# Altium PCB PCB.PcbDoc (part 1 of 2) (continued)
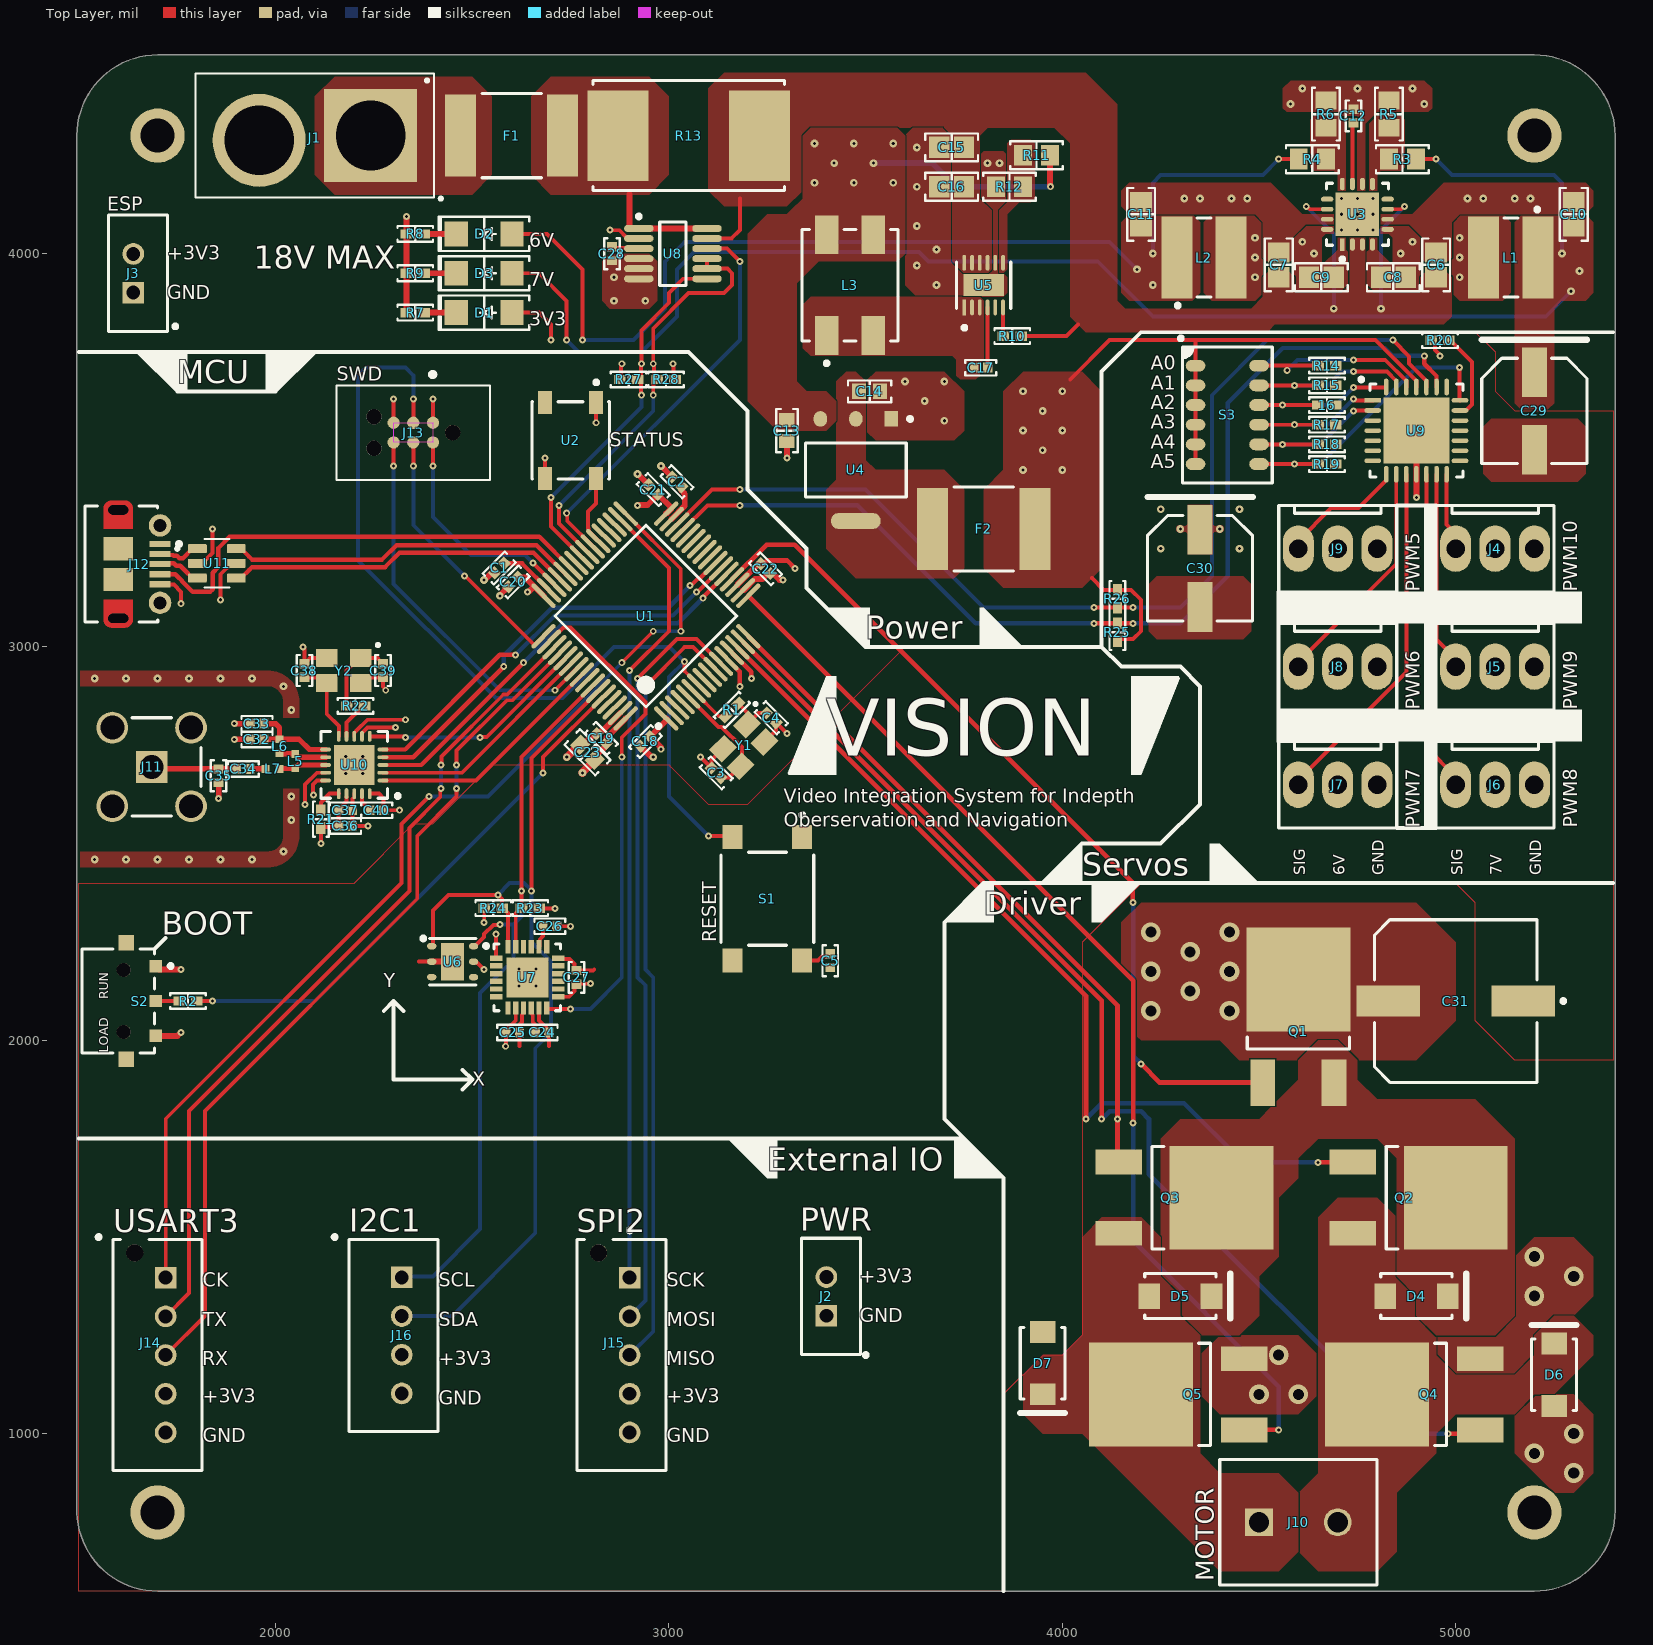
[diagram p0: Top Layer view]
## Components (designator, comment, footprint, x,y, rotation, side; value= is the part's Value field where it differs from the comment)
16 "10K" "RES 0402_1005" 4672.64,3615 r0 top
C1 "100n" "CAP 0402_1005" 2568.55,3200.78 r45 top
C2 "100n" "CAP 0402_1005" 3020,3420 r315 top
C3 "14p" "CAP 0402_1005" 3120,2680 r135 top
C4 "14p" "CAP 0402_1005" 3260,2820 r315 top
C5 "100n" "CAP 0402_1005" 3410,2202.68 r270 top
C6 "4u7" "CAP 0805_2012" 4950,3971.5 r270 top
C7 "4u7" "CAP 0805_2012" 4550,3971.5 r270 top
C8 "0.1u" "CAP 0805_2012" 4841.5,3940 r180 top
C9 "0.1u" "CAP 0805_2012" 4658.5,3940 r0 top
C10 "22u" "CAP 0805_2012" 5300,4100 r270 top
C11 "22u" "CAP 0805_2012" 4200,4100 r270 top
C12 "1u" "CAP 0402_1005" 4740,4350 r270 top
C13 "22u" "CAP 0603_1608" 3300,3550 r90 top
C14 "22u" "CAP 0603_1608" 3510,3650 r180 top
C15 "4u7" "CAP 0805_2012" 3718.5,4270 r0 top
C16 "4u7" "CAP 0805_2012" 3718.5,4170 r0 top
C17 "100n" "CAP 0402_1005" 3792.68,3710 r0 top
C18 "100n" "CAP 0402_1005" 2940,2760 r45 top
C19 "100n" "CAP 0402_1005" 2828.28,2767.55 r315 top
C20 "100n" "CAP 0402_1005" 2603.9,3165.43 r45 top
C21 "100n" "CAP 0402_1005" 2960,3400 r315 top
C22 "100n" "CAP 0402_1005" 3245.48,3198.89 r135 top
C23 "10u" "CAP 0603_1608" 2792.93,2732.2 r315 top
C24 "100n" "CAP 0402_1005" 2677.32,2020 r180 top
C25 "10n" "CAP 0402_1005" 2602.68,2020 r180 top
C26 "2.2n" "CAP 0402_1005" 2697.32,2290 r180 top
C27 "100n" "CAP 0402_1005" 2765,2160 r270 top
C28 "100n" "CAP 0402_1005" 2855,4000 r90 top
C29 "" PNSC-FK-V-D8_V 5200,3600 r270 top
C30 "" PNSC-FK-V-D8_V 4350,3200 r270 top
C31 "EEE-1AA102P" FP-SG-MFG 5000,2100 r180 top
C32 "2n2" "CAP 0402_1005" 1952.68,2765 r0 top
C33 "4p7" "CAP 0402_1005" 1952.68,2805 r0 top
C34 "1p5" "CAP 0402_1005" 1917.68,2690 r0 top
C35 "1p" "CAP 0402_1005" 1855,2672.68 r90 top
C36 "10n" "CAP 0402_1005" 2177.68,2545 r0 top
C37 "1n" "CAP 0402_1005" 2177.68,2585 r0 top
C38 "14p" "CAP 0402_1005" 2073.25,2940.14 r90 top
C39 "14p" "CAP 0402_1005" 2273.25,2940.14 r270 top
C40 "33n" "CAP 0402_1005" 2257.32,2585 r180 top
D1 "Yellow" "LED 1206_3216 YELLOW" 2530,3850 r180 top
D2 "Yellow" "LED 1206_3216 YELLOW" 2530,4050 r180 top
D3 "Yellow" "LED 1206_3216 YELLOW" 2530,3950 r180 top
D4 "STPS2H100A" STM-SMA-2_V 4900,1350 r0 top
D5 "STPS2H100A" STM-SMA-2_V 4300,1350 r0 top
D6 "STPS2H100A" STM-SMA-2_V 5250,1150 r90 top
D7 "STPS2H100A" STM-SMA-2_V 3950,1179.33 r270 top
F1 "TLC-LSMD300" FP-2920L-MFG 2600,4300 r180 top value=0.015-0.048Ω
F2 "TLC-LSMD050" FP-2920L-MFG 3800,3300 r180 top value=0.015-0.048Ω
J1 "XT60" AMASS_XT60PB-M 2100,4300 r180 top
J2 "B2B-EH-A(LF)(SN)" FP-B2B-EH-A_LF_SN-MFG 3411.81,1349.21 r90 top
J3 "B2B-EH-A(LF)(SN)" FP-B2B-EH-A_LF_SN-MFG 1650,3950 r90 top
J4 "0022272031" "MOLEX KK 0022272031" 5100,3250 r180 top
J5 "0022272031" "MOLEX KK 0022272031" 5100,2950 r180 top
J6 "0022272031" "MOLEX KK 0022272031" 5100,2650 r180 top
J7 "0022272031" "MOLEX KK 0022272031" 4700,2650 r180 top
J8 "0022272031" "MOLEX KK 0022272031" 4700,2950 r180 top
J9 "0022272031" "MOLEX KK 0022272031" 4700,3250 r180 top
J10 "1729128" PHOE-1729128-2_V 4600,775 r0 top
J11 "731000114" MOLX-731000114_V 1685,2695 r0 top
J12 "105017-0001" USB-MICRO-B_V 1653.15,3210.63 r270 top
J13 "TC2030-IDC-NL" TAG_TC2030-IDC-NL 2350,3545 r180 top
J14 "B5B-XH-AM(LF)(SN)" FP-B5B-XH-AM_LF_SN-MFG 1700,1200 r90 top
J15 "B5B-XH-AM(LF)(SN)" FP-B5B-XH-AM_LF_SN-MFG 2879.33,1200 r90 top
J16 "B4B-XH-A(LF)(SN)" FP-B4B-XH-A_LF_SN-MFG 2300,1250 r90 top
L1 "74408942022" WE-SPC_4828 5140,3990 r270 top
L2 "74408942022" WE-SPC_4828 4360,3990 r90 top
L3 "ACM70V-701-2PL-TL00" FP-ACM70V-MFG 3460,3920 r90 top
L5 "8n2" WE-TCI_0402 2050,2710 r270 top
L6 "2n7" WE-TCI_0402 2010,2747.72 r90 top
L7 "3n9" WE-TCI_0402 1992.28,2690 r180 top
Q1 "STD5N20LT4" FP-DPAK-P032P-MFG 4600,2100 r0 top
Q2 "STD5N20LT4" FP-DPAK-P032P-MFG 4945.37,1600 r270 top
Q3 "STD5N20LT4" FP-DPAK-P032P-MFG 4350,1600 r270 top
Q4 "STD5N20LT4" FP-DPAK-P032P-MFG 4854.63,1100 r90 top
Q5 "STD5N20LT4" FP-DPAK-P032P-MFG 4254.63,1100 r90 top
R1 "0R" "RES 0402_1005" 3160,2840 r45 top
R2 "10K" "RES 0402_1005" 1777.36,2100 r180 top
R3 "18K" "RES 0805_2012" 4864.45,4240 r0 top
R4 "12K" "RES 0805_2012" 4635.55,4240 r180 top
R5 "2K2" "RES 0805_2012" 4830,4354.45 r270 top
R6 "2K2" "RES 0805_2012" 4670,4354.45 r270 top
R7 "1K8" "RES 0402_1005" 2355,3850 r180 top
R8 "1K8" "RES 0402_1005" 2355,4050 r180 top
R9 "1K8" "RES 0402_1005" 2355,3950 r180 top
R10 "0R" "RES 0402_1005" 3872.64,3790 r0 top
R11 "25K3" "RES 0805_2012" 3934.45,4250 r0 top
R12 "2K2" "RES 0805_2012" 3865.55,4170 r0 top
R13 "WSR3R0200FEA" FP-WSR3-MFG 3050,4300 r180 top
R14 "10K" "RES 0402_1005" 4672.64,3715 r0 top
R15 "10K" "RES 0402_1005" 4672.64,3665 r0 top
R17 "10K" "RES 0402_1005" 4672.64,3565 r0 top
R18 "10K" "RES 0402_1005" 4672.64,3515 r0 top
R19 "10K" "RES 0402_1005" 4672.64,3465 r0 top
R20 "10K" "RES 0402_1005" 4960,3780 r180 top
R21 "22K" "RES 0402_1005" 2115,2562.36 r270 top
R22 "0R" "RES 0402_1005" 2203.25,2850.14 r0 top
R23 "2K2" "RES 0402_1005" 2647.64,2336 r180 top
R24 "2K2" "RES 0402_1005" 2553.36,2336 r180 top
R25 "2K2" "RES 0402_1005" 4140,3037.36 r90 top
R26 "2K2" "RES 0402_1005" 4140,3122.64 r90 top
R27 "2K2" "RES 0402_1005" 2897.36,3680 r0 top
R28 "2K2" "RES 0402_1005" 2992.64,3680 r0 top
S1 "PTS645SM43SMTR92LFS" FP-PTS645SM43SMTR92LFS-MFG 3250,2360 r270 top
S2 "JS102000SAQN" FP-JS102000SAQN-MFG 1600,2100 r270 top
S3 "218-6LPST" "CTS 218-6LPJ" 4419.29,3590 r0 top
U1 "STM32F405RGT6" STM-LQFP64_M 2941.42,3078.68 r135 top
U2 "1655" ADA-RGB-1655_V 2750,3525 r270 top
U3 "TPS54394RSAT" FP-RSA0016B-IPC_B 4750,4100 r90 top
U4 "AMS1117-3.3" FP-AMS1117-IPC_C 3475,3450 r270 top
U5 "LMR51440SDRRR" FP-DRR0012G-IPC_A 3800,3920 r90 top
U6 "HPP845E031R4" "TE HPP845E031R4" 2450,2200 r0 top
U7 "MPU-6050" IS-QFN-24_V 2640,2160 r0 top
U8 "LTC2945CMS#PBF" LT-MS-12_M 3010,4000 r0 top
U9 "PCA9685BS,118" FP-SOT788-1-IPC_B 4900,3550 r0 top
U10 "NRF24L01P-T" NRSC-QFN-20_L 2200,2700 r180 top
U11 "USBLC6-2SC6" SOT95P280X145-6N 1850.59,3212.6 r0 top
Y1 "830108207109" WE-XTAL_CFPX-180 3190,2750 r225 top
Y2 "830108207109" WE-XTAL_CFPX-180 2173.25,2940.14 r180 top

## Footprints (in the part's own frame and the unit in brackets; to place one, negate y for a bottom-side part, rotate by r counter-clockwise, add the part's x,y. Pads: shape width x height; smd on the part's side, far side on the other; paste and mask are expansions set on the pad)
ADA-RGB-1655_V [mm] "SMD, 4-Leads, Body 5x5mm"
  rect 1.5x0.9 smd: 1(-2.45,1.65) 2(-2.45,-1.65) 3(2.45,-1.65) 4(2.45,1.65)
  silkscreen extent -3.87,-2.5 2.5,2.5, body extent -2.7,-2.5 2.7,2.5, height 1.68
AMASS_XT60PB-M [mm]
  rect 6x6 / inner round 6 / far side rect 6x6 hole 4.5: 1(-3.6,0)
  round 6 hole 4.5: 2(3.6,0.305)
  silkscreen extent -8.23,-4 7.7,4.16, body extent -7.75,-4.05 7.75,4.05, height 16
"CAP 0402_1005" [mm] "Chip Capacitor, 2-Leads, Body 1.02x0.51mm, IPC Medium Density"
  rect 0.6x0.64 smd: 1(-0.44,0) 2(0.44,0)
  silkscreen extent -1,-0.5 1,0.5, body extent -0.5,-0.26 0.5,0.26, height 0.52
"CAP 0603_1608" [mm] "Chip Capacitor, 2-Leads, Body 1.60x0.80mm, IPC Medium Density"
  rect 0.9x1 smd: 1(-0.675,0) 2(0.675,0)
  silkscreen extent -1.4,-0.7 1.4,0.7, body extent -0.8,-0.41 0.8,0.41, height 0.82
"CAP 0805_2012" [mm] "Chip Capacitor, 2-Leads, Body 2.00x1.20mm, IPC Medium Density"
  rect 1.3x1.4 smd: 1(-0.8,0) 2(0.8,0)
  silkscreen extent -1.7,-0.9 1.7,0.9, body extent -1,-0.64 1,0.64, height 1.26
"CTS 218-6LPJ" [mm] "DIP, 4 POS, Body 6.25x6.05mm, Pitch 1.27mm, IPC Medium Density"
  oval 1.27x0.76 smd: 1(-2.05,3.175) 2(-2.05,1.905) 3(-2.05,0.635) 4(-2.05,-0.635) 5(-2.05,-1.905) 6(-2.05,-3.175) 7(2.05,-3.175) 8(2.05,-1.905) 9(2.05,-0.635) 10(2.05,0.635) 11(2.05,1.905) 12(2.05,3.175)
  silkscreen extent -3.12,-4.39 2.9,5.06, body extent -3.15,-4.4 3.15,4.39, height 2.71
FP-2920L-MFG [mm]
  rect 2x5.3 smd paste+0 mask+0: 1(-3.3,0) 2(3.3,0)
  silkscreen extent -1.92,-2.72 1.92,2.72, body extent -4.4,-2.82 4.4,2.82, height 0.25
FP-ACM70V-MFG [mm]
  rect 2.5x1.5 smd paste+0 mask+0: 1(-3.25,1.5) 2(-3.25,-1.5) 3(3.25,-1.5) 4(3.25,1.5)
  silkscreen extent -5.17,-3.1 3.6,3.1, body extent -4.6,-3.2 4.6,3.2, height 0.25
FP-AMS1117-IPC_C [mm]
  rect 1.004x0.872 smd paste+0 mask+0: 1(-3.295,2.29)
  rrect100% 1.004x0.872 smd paste+0 mask+0: 2(-3.295,0) 3(-3.295,-2.29)
  rrect87% 1.004x3.182 smd paste+0 mask+0: 4(3.295,0)
  silkscreen extent -3.42,-3.25 1.75,3.63, body extent -3.9,-3.35 3.9,3.35, height 0.25
FP-B2B-EH-A_LF_SN-MFG [mm]
  rect 1.4x1.4 hole 0.9 paste-1000 mask+0: 1(-1.25,0.3)
  round 1.4 hole 0.9 paste-1000 mask+0: 2(1.25,0.3)
  silkscreen extent -3.91,-2.37 3.75,1.9, body extent -3.85,-2 3.85,2, height 0.25
FP-B4B-XH-A_LF_SN-MFG [mm]
  rect 1.4x1.4 hole 0.9 paste-1000 mask+0: 1(3.75,-0.525)
  round 1.4 hole 0.9 paste-1000 mask+0: 2(1.25,-0.525) 3(-1.25,-0.525) 4(-3.75,-0.525)
  silkscreen extent -6.2,-2.88 6.47,3.93, body extent -6.3,-2.98 6.3,2.98, height 0.25
FP-B5B-XH-AM_LF_SN-MFG [mm]
  rect 1.4x1.4 hole 0.9 paste-1000 mask+0: 1(5,-0.525)
  round 1.4 hole 0.9 paste-1000 mask+0: 2(2.5,-0.525) 3(0,-0.525) 4(-2.5,-0.525) 5(-5,-0.525)
  round 1.1 hole 1.1 unplated paste-1000 mask+0: ""(6.6,1.475)
  silkscreen extent -7.45,-2.88 7.74,3.93, body extent -7.55,-2.98 7.55,2.98, height 0.25
FP-DPAK-P032P-MFG [mm]
  rect 1.6x3 smd paste+0 mask+0: 1(-2.3,-5.262) 3(2.3,-5.262)
  rect 6.7x6.7 smd paste+0 mask+0: 4(0,1.388)
  silkscreen extent -3.3,-3.1 3.3,-2.34, body extent -3.45,-6.86 3.45,4.84, height 0.25
FP-DRR0012G-IPC_A [mm]
  rect 1.03x0.242 smd paste+0 mask+0: 1(-1.441,1.25)
  rrect100% 1.03x0.242 smd paste+0 mask+0: 2(-1.441,0.75) 3(-1.441,0.25) 4(-1.441,-0.25) 5(-1.441,-0.75) 6(-1.441,-1.25) 7(1.441,-1.25) 8(1.441,-0.75) 9(1.441,-0.25) 10(1.441,0.25) 11(1.441,0.75) 12(1.441,1.25)
  rect 1.4x2.6 smd paste-1000 mask+0: 13(0,0)
  silkscreen extent -2.88,-1.75 1.5,1.75, body extent -2.46,-2 2.46,2, height 0.25
FP-JS102000SAQN-MFG [mm]
  rect 0.8x0.8 smd paste+0 mask+0: 1(-2.25,2.43) 2(0,2.43) 3(2.25,2.43)
  rect 1x1 smd paste+0 mask+0: 4(-3.75,0.53) 5(3.75,0.53)
  round 0.9 hole 0.9 unplated paste-1000 mask+0: ""(-2,0.35) ""(2,0.35)
  silkscreen extent -3.35,-2.35 3.35,3.51, body extent -4.35,-2.45 4.35,2.93, height 0.25
FP-PTS645SM43SMTR92LFS-MFG [mm]
  rect 1.55x1.3 smd paste+0 mask+0: 1(-3.975,2.25) 2(3.975,2.25) 3(-3.975,-2.25) 4(3.975,-2.25)
  silkscreen extent -5.52,-3 3,3, body extent -4.85,-3.1 4.85,3.1, height 0.25
FP-RSA0016B-IPC_B [mm]
  rect 0.806x0.316 smd paste+0 mask+0: 1(-1.953,0.975)
  rrect100% 0.806x0.316 smd paste+0 mask+0: 2(-1.953,0.325) 3(-1.953,-0.325) 4(-1.953,-0.975) 9(1.953,-0.975) 10(1.953,-0.325) 11(1.953,0.325) 12(1.953,0.975)
  rrect100% 0.316x0.806 smd paste+0 mask+0: 5(-0.975,-1.953) 6(-0.325,-1.953) 7(0.325,-1.953) 8(0.975,-1.953) 13(0.975,1.953) 14(0.325,1.953) 15(-0.325,1.953) 16(-0.975,1.953)
  rect 2.8x2.8 smd paste-1000 mask+0: 17(0,0)
  silkscreen extent -3.03,-2 2,2, body extent -2.61,-2.61 2.61,2.61, height 0.25
FP-SG-MFG [mm]
  rect 4.1x2 smd paste+0 mask+0: 1(-4.35,0) 2(4.35,0)
  silkscreen extent -7.07,-5.25 5.25,5.25, body extent -6.65,-5.5 6.65,5.5, height 0.25
FP-SOT788-1-IPC_B [mm]
  rect 1.081x0.292 smd paste+0 mask+0: 1(-2.816,1.95)
  rrect100% 1.081x0.292 smd paste+0 mask+0: 2(-2.816,1.3) 3(-2.816,0.65) 4(-2.816,0) 5(-2.816,-0.65) 6(-2.816,-1.3) 7(-2.816,-1.95) 15(2.816,-1.95) 16(2.816,-1.3) 17(2.816,-0.65) 18(2.816,0) 19(2.816,0.65) 20(2.816,1.3) 21(2.816,1.95)
  rrect100% 0.292x1.081 smd paste+0 mask+0: 8(-1.95,-2.816) 9(-1.3,-2.816) 10(-0.65,-2.816) 11(0,-2.816) 12(0.65,-2.816) 13(1.3,-2.816) 14(1.95,-2.816) 22(1.95,2.816) 23(1.3,2.816) 24(0.65,2.816) 25(0,2.816) 26(-0.65,2.816) 27(-1.3,2.816) 28(-1.95,2.816)
  rect 4.25x4.25 smd paste-1000 mask+0: 29(0,0)
  silkscreen extent -3.68,-3 3,3.43, body extent -3.61,-3.61 3.61,3.61, height 0.25
FP-WSR3-MFG [mm]
  rect 3.94x5.84 smd paste+0 mask+0: 1(-4.575,0) 2(4.575,0)
  silkscreen extent -6.19,-3.55 6.19,3.55, body extent -6.65,-3.65 6.65,3.65, height 0.25
IS-QFN-24_V [mm] "QFN, 24-Leads, Body 4x4mm, Pitch 0.5mm, Thermal Pad 2.7x2.6mm"
  rect 0.8x0.35 smd: 1(-2,1.25) 2(-2,0.75) 3(-2,0.25) 4(-2,-0.25) 5(-2,-0.75) 6(-2,-1.25) 13(2,-1.25) 14(2,-0.75) 15(2,-0.25) 16(2,0.25) 17(2,0.75) 18(2,1.25)
  rect 0.35x0.85 smd mask+0.102: 7(-1.25,-1.975) 8(-0.75,-1.975) 9(-0.25,-1.975) 10(0.25,-1.975) 11(0.75,-1.975) 12(1.25,-1.975) 19(1.25,1.975) 20(0.75,1.975) 21(0.25,1.975) 22(-0.25,1.975) 23(-0.75,1.975) 24(-1.25,1.975)
  rect 2.7x2.6 smd: 25(0,0)
  silkscreen extent -2.79,-2.15 2.15,2.16, body extent -2,-2 2,2, height 0.95
"LED 1206_3216 YELLOW" [mm] "Chip Diode, 2-Leads, Body 3.13x1.55mm, IPC Medium Density"
  rect 1.5x1.6 smd: 1(-1.8,0) 2(1.8,0)
  silkscreen extent -2.92,-1.1 2.92,1.1, body extent -1.6,-0.8 1.6,0.8, height 0.9
LT-MS-12_M [mm] "SOP, 12-Leads, Body 4.1x3.1mm, Pitch 0.65mm, IPC Low Density"
  oval 1.9x0.45 smd: 1(-2.2,1.625) 2(-2.2,0.975) 3(-2.2,0.325) 4(-2.2,-0.325) 5(-2.2,-0.975) 6(-2.2,-1.625) 7(2.2,-1.625) 8(2.2,-0.975) 9(2.2,-0.325) 10(2.2,0.325) 11(2.2,0.975) 12(2.2,1.625)
  silkscreen extent -2.32,-2.05 0.85,2.52, body extent -1.55,-2.05 1.55,2.05, height 1.1
"MOLEX KK 0022272031" [mm]
  oval 2x3 hole 1.2: 1(-2.54,0) 2(0,0) 3(2.54,0)
  silkscreen extent -3.81,-2.79 3.81,2.79, body extent -3.81,-2.9 3.81,2.9, height 11.7
MOLX-731000114_V [mm] "Connector, 5-Leads, Body 14.8x6.35mm, Pitch 2.54mm"
  rect 2.05x2.05 hole 1.54: 1(0,0)
  round 2.05 hole 1.54: 2(-2.54,2.54) 3(-2.54,-2.54) 4(2.54,-2.54) 5(2.54,2.54)
  silkscreen extent -1.26,-3.17 3.17,3.17, body extent -11.62,-3.17 3.18,3.18, height 9.57
NRSC-QFN-20_L [mm] "QFN, 20-Leads, Body 4x4mm, Pitch 0.5mm, Thermal Pad 2.6x2.6mm, IPC High Density"
  oval 0.7x0.25 smd: 1(-1.85,1) 2(-1.85,0.5) 3(-1.85,0) 4(-1.85,-0.5) 5(-1.85,-1) 11(1.85,-1) 12(1.85,-0.5) 13(1.85,0) 14(1.85,0.5) 15(1.85,1)
  oval 0.25x0.7 smd: 6(-1,-1.85) 7(-0.5,-1.85) 8(0,-1.85) 9(0.5,-1.85) 10(1,-1.85) 16(1,1.85) 17(0.5,1.85) 18(0,1.85) 19(-0.5,1.85) 20(-1,1.85)
  rect 2.6x2.6 smd: 21(0,0)
  silkscreen extent -2.93,-2.15 2.15,2.15, body extent -2,-2 2,2, height 0.95
PHOE-1729128-2_V [mm] "Receptacle, 2-Leads, Body 8.1x10.16mm, Pitch 5.08mm"
  rect 1.8x1.8 hole 1.3: 1(-2.54,0)
  round 1.8 hole 1.3: 2(2.54,0)
  silkscreen extent -5.08,-4.05 5.08,4.05, body extent -5.65,-4.05 5.08,4.05, height 10.01
PNSC-FK-V-D8_V [mm] "CAPAE, 2-Leads, Body 6.80x6.80mm"
  rect 3.2x1.6 smd: 1(-2.5,0) 2(2.5,0)
  silkscreen extent -4.6,-3.4 3.4,3.4, body extent -3.9,-3.4 3.9,3.4, height 8
"RES 0402_1005" [mm] "Chip Resistor, 2-Leads, Body 1.0x0.5mm, IPC Medium Density"
  rect 0.75x0.6 smd: 1(-0.575,0) 2(0.575,0)
  silkscreen extent -1.14,-0.51 1.14,0.51, body extent -0.5,-0.25 0.5,0.25, height 0.35
"RES 0805_2012" [mm] "Chip Resistor, 2-Leads, Body 2.00x1.25mm, IPC Medium Density"
  rect 1.15x1.35 smd: 1(-0.875,0) 2(0.875,0)
  silkscreen extent -1.7,-0.9 1.7,0.9, body extent -1,-0.62 1,0.63, height 0.6
SOT95P280X145-6N [mm]
  rrect25% 1.21x0.59 smd: 1(-1.255,0.95) 2(-1.255,0) 3(-1.255,-0.95) 4(1.255,-0.95) 5(1.255,0) 6(1.255,0.95)
  silkscreen extent -2.65,-1.57 0.81,1.57, body extent -1.4,-1.46 1.4,1.46, height 0.4
STM-LQFP64_M [mm] "Thin QFP, 64-Leads, Body 10x10mm, Pitch 0.5mm, IPC Low Density"
  oval 2.1x0.3 smd: 1(-5.6,3.75) 2(-5.6,3.25) 3(-5.6,2.75) 4(-5.6,2.25) 5(-5.6,1.75) 6(-5.6,1.25) 7(-5.6,0.75) 8(-5.6,0.25) 9(-5.6,-0.25) 10(-5.6,-0.75) 11(-5.6,-1.25) 12(-5.6,-1.75) 13(-5.6,-2.25) 14(-5.6,-2.75) 15(-5.6,-3.25) 16(-5.6,-3.75) 33(5.6,-3.75) 34(5.6,-3.25) 35(5.6,-2.75) 36(5.6,-2.25) 37(5.6,-1.75) 38(5.6,-1.25) 39(5.6,-0.75) 40(5.6,-0.25) 41(5.6,0.25) 42(5.6,0.75) 43(5.6,1.25) 44(5.6,1.75) 45(5.6,2.25) 46(5.6,2.75) 47(5.6,3.25) 48(5.6,3.75)
  oval 0.3x2.1 smd: 17(-3.75,-5.6) 18(-3.25,-5.6) 19(-2.75,-5.6) 20(-2.25,-5.6) 21(-1.75,-5.6) 22(-1.25,-5.6) 23(-0.75,-5.6) 24(-0.25,-5.6) 25(0.25,-5.6) 26(0.75,-5.6) 27(1.25,-5.6) 28(1.75,-5.6) 29(2.25,-5.6) 30(2.75,-5.6) 31(3.25,-5.6) 32(3.75,-5.6) 49(3.75,5.6) 50(3.25,5.6) 51(2.75,5.6) 52(2.25,5.6) 53(1.75,5.6) 54(1.25,5.6) 55(0.75,5.6) 56(0.25,5.6) 57(-0.25,5.6) 58(-0.75,5.6) 59(-1.25,5.6) 60(-1.75,5.6) 61(-2.25,5.6) 62(-2.75,5.6) 63(-3.25,5.6) 64(-3.75,5.6)
  silkscreen extent -5.72,-4.15 4.15,4.57, body extent -5,-5 5,5, height 1.6
STM-SMA-2_V [mm] "Diode, 2-Leads, Body 4.6x2.9mm"
  rect 1.4x1.64 smd: 1(-2.015,0) 2(2.015,0)
  silkscreen extent -2.3,-1.45 3.21,1.45, body extent -2.3,-1.45 2.3,1.45, height 2.59
TAG_TC2030-IDC-NL [mil]
  round 30.98 smd paste-39.37: 1(-50,-25) 2(-50,25) 3(0,-25) 4(0,25) 5(50,-25) 6(50,25)
  round 39.02 hole 39.02 unplated: ""(-100,0) ""(100,-40) ""(100,40)
  Keep-Out Layer region: 50,-25.03 -50.06,-25.03 -50.06,25 50,25
  silkscreen extent -195,-154 195,120
"TE HPP845E031R4" [mm] "SMT, 6-Leads, Body 3.0x3.0mm, Pitch 1.0mm, IPC Medium Density"
  oval 0.6x0.4 smd: 1(-1.35,1) 2(-1.35,0) 3(-1.35,-1) 5(1.35,0) 6(1.35,1)
  oval 0.6x0.4 smd paste+0: 4(1.35,-1)
  rect 1.5x2.4 smd: 7(0,0)
  silkscreen extent -2.02,-1.5 1.5,1.62, body extent -1.5,-1.5 1.5,1.5, height 0.9
USB-MICRO-B_V [mm] "USB, MICRO B, Body 7.491x4.695 mm, Pitch 0.65 mm"
  rect 0.4x1.35 smd: 1(-1.3,1.35) 2(-0.65,1.35) 3(0,1.35) 4(0.65,1.35) 5(1.3,1.35)
  round 1.45 hole 0.85: 6(-2.5,1.35) 7(2.5,1.35)
  rrect50% 0x0 hole 0.6 slot 1.3 at 90 deg: 8(-3.5,-1.35) 11(3.5,-1.35)
  rect 1.5x1.9 smd: 9(-1,-1.35) 10(1,-1.35)
  Top Layer circle w0.5: c-3.6,-1.8 r0.25
  Top Layer circle w0.5: c-3.6,-0.9 r0.25
  Top Layer circle w0.5: c3.6,-1.8 r0.25
  Top Layer circle w0.5: c3.6,-0.9 r0.25
  Top Layer region: -3.6,-1.8 -3.6,-0.9 -4.1,-0.9 -4.1,-1.8
  Top Layer region: 3.6,-0.9 3.6,-1.8 4.1,-1.8 4.1,-0.9
  Top Layer region: 2.3,-0.4 2.3,-2.3 3.6,-2.3 3.6,-0.4
  Top Layer region: -2.3,-2.3 -2.3,-0.4 -3.6,-0.4 -3.6,-2.3
  silkscreen extent -3.75,-3.5 3.75,2.7, body extent -4.1,-3.9 4.1,1.5, height 2.67
WE-SPC_4828 [mm] "SMD Shielded Power Inductor, body 4.8x4.8mm"
  rect 5.3x2 smd: 1(0,1.75) 2(0,-1.75)
  silkscreen extent -3.22,-0.45 2.55,1.83, body extent -2.41,-2.41 2.41,2.41, height 2.8
WE-TCI_0402 [mm] "Thinfilm Chip Inductor, 2-leads, body 1.00x0.50mm"
  rect 0.5x0.5 smd: 1(-0.45,0) 2(0.45,0)
  body extent -0.5,-0.25 0.5,0.25, height 0.32
WE-XTAL_CFPX-180 [mm] "Quartz Crystal, size CFPX-180, body 3.4x2.7mm"
  rect 1.4x1.15 smd: 1(-1.1,-0.8) 2(1.1,-0.8) 3(1.1,0.8) 4(-1.1,0.8)
  silkscreen extent -2.52,-1.45 -2.32,-1.25, body extent -1.7,-1.35 1.7,1.35, height 0.65

## Part data
16 R14 R15 R17 R18 R19 R20: library part CPF0402B10KE, "RES SMD 10K OHM 0.1% 1/16W 0402", Part Number=CPF0402B10KE
C1 C2 C12 C17 C18 C19 C20 C21 C22: library part CL05B104KP5VPNC, "CAP CER 100NF 10V X7R 0402", Capacitance="0.1 µF", Device Package="0402 (1005 Metric)", manufacturer="Samsung Electro-Mechanics", Operating Temperature="-55°C ~ 125°C", Ratings=AEC-Q200, Supplier Part Number 1=1276-CL05B104KP5VPNCCT-ND, Temperature Coefficient=X7R, Tolerance=±10%, Voltage - Rated=10V, Applications=Automotive, componentlink1description=Datasheet, componentlink1url=https://mm.digikey.com/Volume0/opasdata/d220001/medias/docus/5458/CL05B104KP5VPNC_Spec.pdf, componentlink2description="DigiKey Link", componentlink2url=https://www.digikey.com/en/products/detail/samsung-electro-mechanics/CL05B104KP5VPNC/20498482, lastupdated="29/01/2024 8:03:07 PM", Lifecycle Status=Active, Minimum Order=1, Mounting Type="Surface Mount, MLCC", Package / Case="0402 (1005 Metric)", packaging=TapeAndReel, Part Number=CL05B104KP5VPNC, partid=56690, price=0.01, series=CL, Size / Dimension="0.039\" L x 0.020\" W (1.00mm x 0.50mm)", Supplier 1=DigiKey, Thickness (Max)="0.022\" (0.55mm)"
C3 C4 C38 C39: library part GJM1555C1H140GB01D, "CAP CER 14PF 50V C0G/NP0 0402", Part Number=GJM1555C1H140GB01D
C5 C24 C27 C28: library part CL05B104KP5VPNC, "CAP CER 100NF 10V X7R 0402", Part Number=CL05B104KP5VPNC
C6 C7 C8 C9 C10 C11 C15 C16: library part CBR08C330JAGAC, "CAP CER 33PF 250V C0G/NP0 0805", Capacitance="33 pF", Device Package="0805 (2012 Metric)", manufacturer=KEMET, Operating Temperature="-55°C ~ 125°C", Supplier Part Number 1=399-6202-1-ND, Temperature Coefficient="C0G, NP0", Tolerance=±5%, Voltage - Rated=250V, Applications="RF, Microwave, High Frequency", componentlink1description=Datasheet, componentlink1url=https://api.kemet.com/component-edge/download/datasheet/CBR08C330JAGAC.pdf, componentlink2description="DigiKey Link", componentlink2url=https://www.digikey.com/en/products/detail/kemet/CBR08C330JAGAC/2732330, Features="High Q, Low Loss, Ultra Low ESR", lastupdated="8/02/2024 8:16:33 PM", Lifecycle Status=Active, Minimum Order=1, Mounting Type="Surface Mount, MLCC", Package / Case="0805 (2012 Metric)", packaging=TapeAndReel, Part Number=CBR08C330JAGAC, Part Status=Active, partid=2409, price=0.36, series="CBR-SMD RF C0G", Size / Dimension="0.079\" L x 0.049\" W (2.00mm x 1.25mm)", Supplier 1=DigiKey, Thickness (Max)="0.037\" (0.95mm)"
C13 C14: library part CL10A226MPCNUBE, "CAP CER 22UF 10V X5R 0603", Part Number=CL10A226MPCNUBE
C23: library part GRM188R60J106ME47D, "CAP CER 10UF 6.3V X5R 0603", Capacitance="10 µF", Device Package="0603 (1608 Metric)", manufacturer="Murata Electronics", Operating Temperature="-55°C ~ 85°C", Supplier Part Number 1=490-3896-1-ND, Temperature Coefficient=X5R, Tolerance=±20%, Voltage - Rated=6.3V, Applications="General Purpose", componentlink1description=Datasheet, componentlink1url=https://www.murata.com/~/media/webrenewal/support/library/catalog/products/capacitor/mlcc/c02e.ashx?la=en-us, componentlink2description="DigiKey Link", componentlink2url=https://www.digikey.com/en/products/detail/murata-electronics/GRM188R60J106ME47D/965910, lastupdated="29/01/2024 8:10:03 PM", Lifecycle Status=Active, Minimum Order=1, Mounting Type="Surface Mount, MLCC", Package / Case="0603 (1608 Metric)", packaging=TapeAndReel, Part Number=GRM188R60J106ME47D, Part Status=Active, partid=2351, price=0.02, series=GRM, Size / Dimension="0.063\" L x 0.031\" W (1.60mm x 0.80mm)", Supplier 1=DigiKey, Thickness (Max)="0.035\" (0.90mm)"
C25: library part C0402C103J5RECAUTO, "CAP CER 0402 10NF 50V X7R 5%", Part Number=C0402C103J5RECAUTO
C26: library part C0402C222J3GEC7867, "CAP CER 0402 2.2NF 25V C0G 5%", Part Number=C0402C222J3GEC7867
C29 C30: library part CMP-2000-06206-1, "Aluminum Electrolytic Capacitor, 100 uF, +/- 20%, 25 V, 2-Pin SMD (Size Code D8), -55 to 105 degC, RoHS, Tape and Reel", Capacitance=100µF, Case Size/Dimension=Ø6.3x7.7mm, Lifetime@Temperature=2000Hrs@105°C, manufacturer=Panasonic, Operating Temp Range=-55to+105°C, Operating Temp-Max=105°C, Package Description="2-Pin Electrolytic Aluminum Capacitor, Body 6.6 x 6.6 mm", Package Reference=FK-V-D8, Rated Voltage=25V, Ripple Current=280mA, Datasheet URL=http://industrial.panasonic.com/cdbs/www-data/pdf/RDE0000/ABA0000C1181.pdf, Datasheet Version=03/2016, Impedance=0.34O, Manufacturer URL=http://www.panasonic.com/, Mounting Technology=SurfaceMount, Package URL=http://industrial.panasonic.com/cdbs/www-data/pdf/RDE0000/DME0000COL48.pdf, series=FK, Type=Can
C31: library part CMP-00287-55501125-1, "EEE-1AA102P Aluminum Electrolytic Capacitor, 1000 uF, 10 V, ± 20%, 2000 hours @ 85°C, Radial Can - SMD", Capacitance=1mF, Case/Package=Radial, Leakage Current=3µA, Max Operating Temperature=85°C, Min Operating Temperature=-40°C, Ripple Current=580mA, Tolerance=20%, Voltage=10V, Contact Plating=Tin, Diameter=10mm, Height=10.2mm, Height - Seated (Max)=10.2108mm, Lead Free="Lead Free", Length=10.5mm, Life (Hours)=2000hours, Lifecycle Status=Production, Mount="PCB, Surface Mount", NexarPartId=55501125, packaging="Cut Tape", Radiation Hardening=No, REACH SVHC=Unknown, Ripple Current (AC)=580mA, RoHS=Compliant, Schedule B="8532220020, 8532220020", Termination=SMD/SMT, Voltage Rating=10V, Voltage Rating (DC)=10V
C32 C33 C34 C35 C36 C37: library part C0402C103K4REC7867, "CAP CER 0402 10NF 16V X7R 10%", Capacitance="10000 pF", Device Package="0402 (1005 Metric)", manufacturer=KEMET, Operating Temperature="-55°C ~ 125°C", Supplier Part Number 1=399-C0402C103K4REC7867CT-ND, Temperature Coefficient=X7R, Tolerance=±10%, Voltage - Rated=16V, Applications="ESD Protection", componentlink1description=Datasheet, componentlink1url=https://connect.kemet.com:7667/gateway/IntelliData-ComponentDocumentation/1.0/download/datasheet/C0402C103K4REC7867, componentlink2description="DigiKey Link", componentlink2url=https://www.digikey.com/en/products/detail/kemet/C0402C103K4REC7867/8643577, lastupdated="23/01/2024 8:03:47 PM", Lifecycle Status=Active, Minimum Order=1, Mounting Type="Surface Mount, MLCC", Package / Case="0402 (1005 Metric)", packaging=TapeAndReel, Part Number=C0402C103K4REC7867, Part Status=Active, partid=52124, price=0.01, series="ESD SMD Comm X7R", Size / Dimension="0.039\" L x 0.020\" W (1.00mm x 0.50mm)", Supplier 1=DigiKey, Thickness (Max)="0.022\" (0.55mm)"
C40: library part C0402C330J4RACAUTO, "CAP CER 33PF 16V X7R 0402", Capacitance="33 pF", Device Package="0402 (1005 Metric)", manufacturer=KEMET, Operating Temperature="-55°C ~ 125°C", Ratings=AEC-Q200, Supplier Part Number 1=399-13708-1-ND, Temperature Coefficient=X7R, Tolerance=±5%, Voltage - Rated=16V, Applications="Automotive, Bypass, Decoupling", componentlink1description=Datasheet, componentlink1url=https://api.kemet.com/component-edge/download/datasheet/C0402C330J4RACAUTO.pdf, componentlink2description="DigiKey Link", componentlink2url=https://www.digikey.com/en/products/detail/kemet/C0402C330J4RACAUTO/6219618, lastupdated="23/01/2024 8:04:40 PM", Lifecycle Status=Active, Minimum Order=1, Mounting Type="Surface Mount, MLCC", Package / Case="0402 (1005 Metric)", packaging=TapeAndReel, Part Number=C0402C330J4RACAUTO, Part Status=Active, partid=1721, price=0.01, series="SMD Auto X7R", Size / Dimension="0.039\" L x 0.020\" W (1.00mm x 0.50mm)", Supplier 1=DigiKey, Thickness (Max)="0.022\" (0.55mm)"